# Altium PCB Tag201_GangProgrammerRev2.PcbDoc (part 4 of 7) (continued)
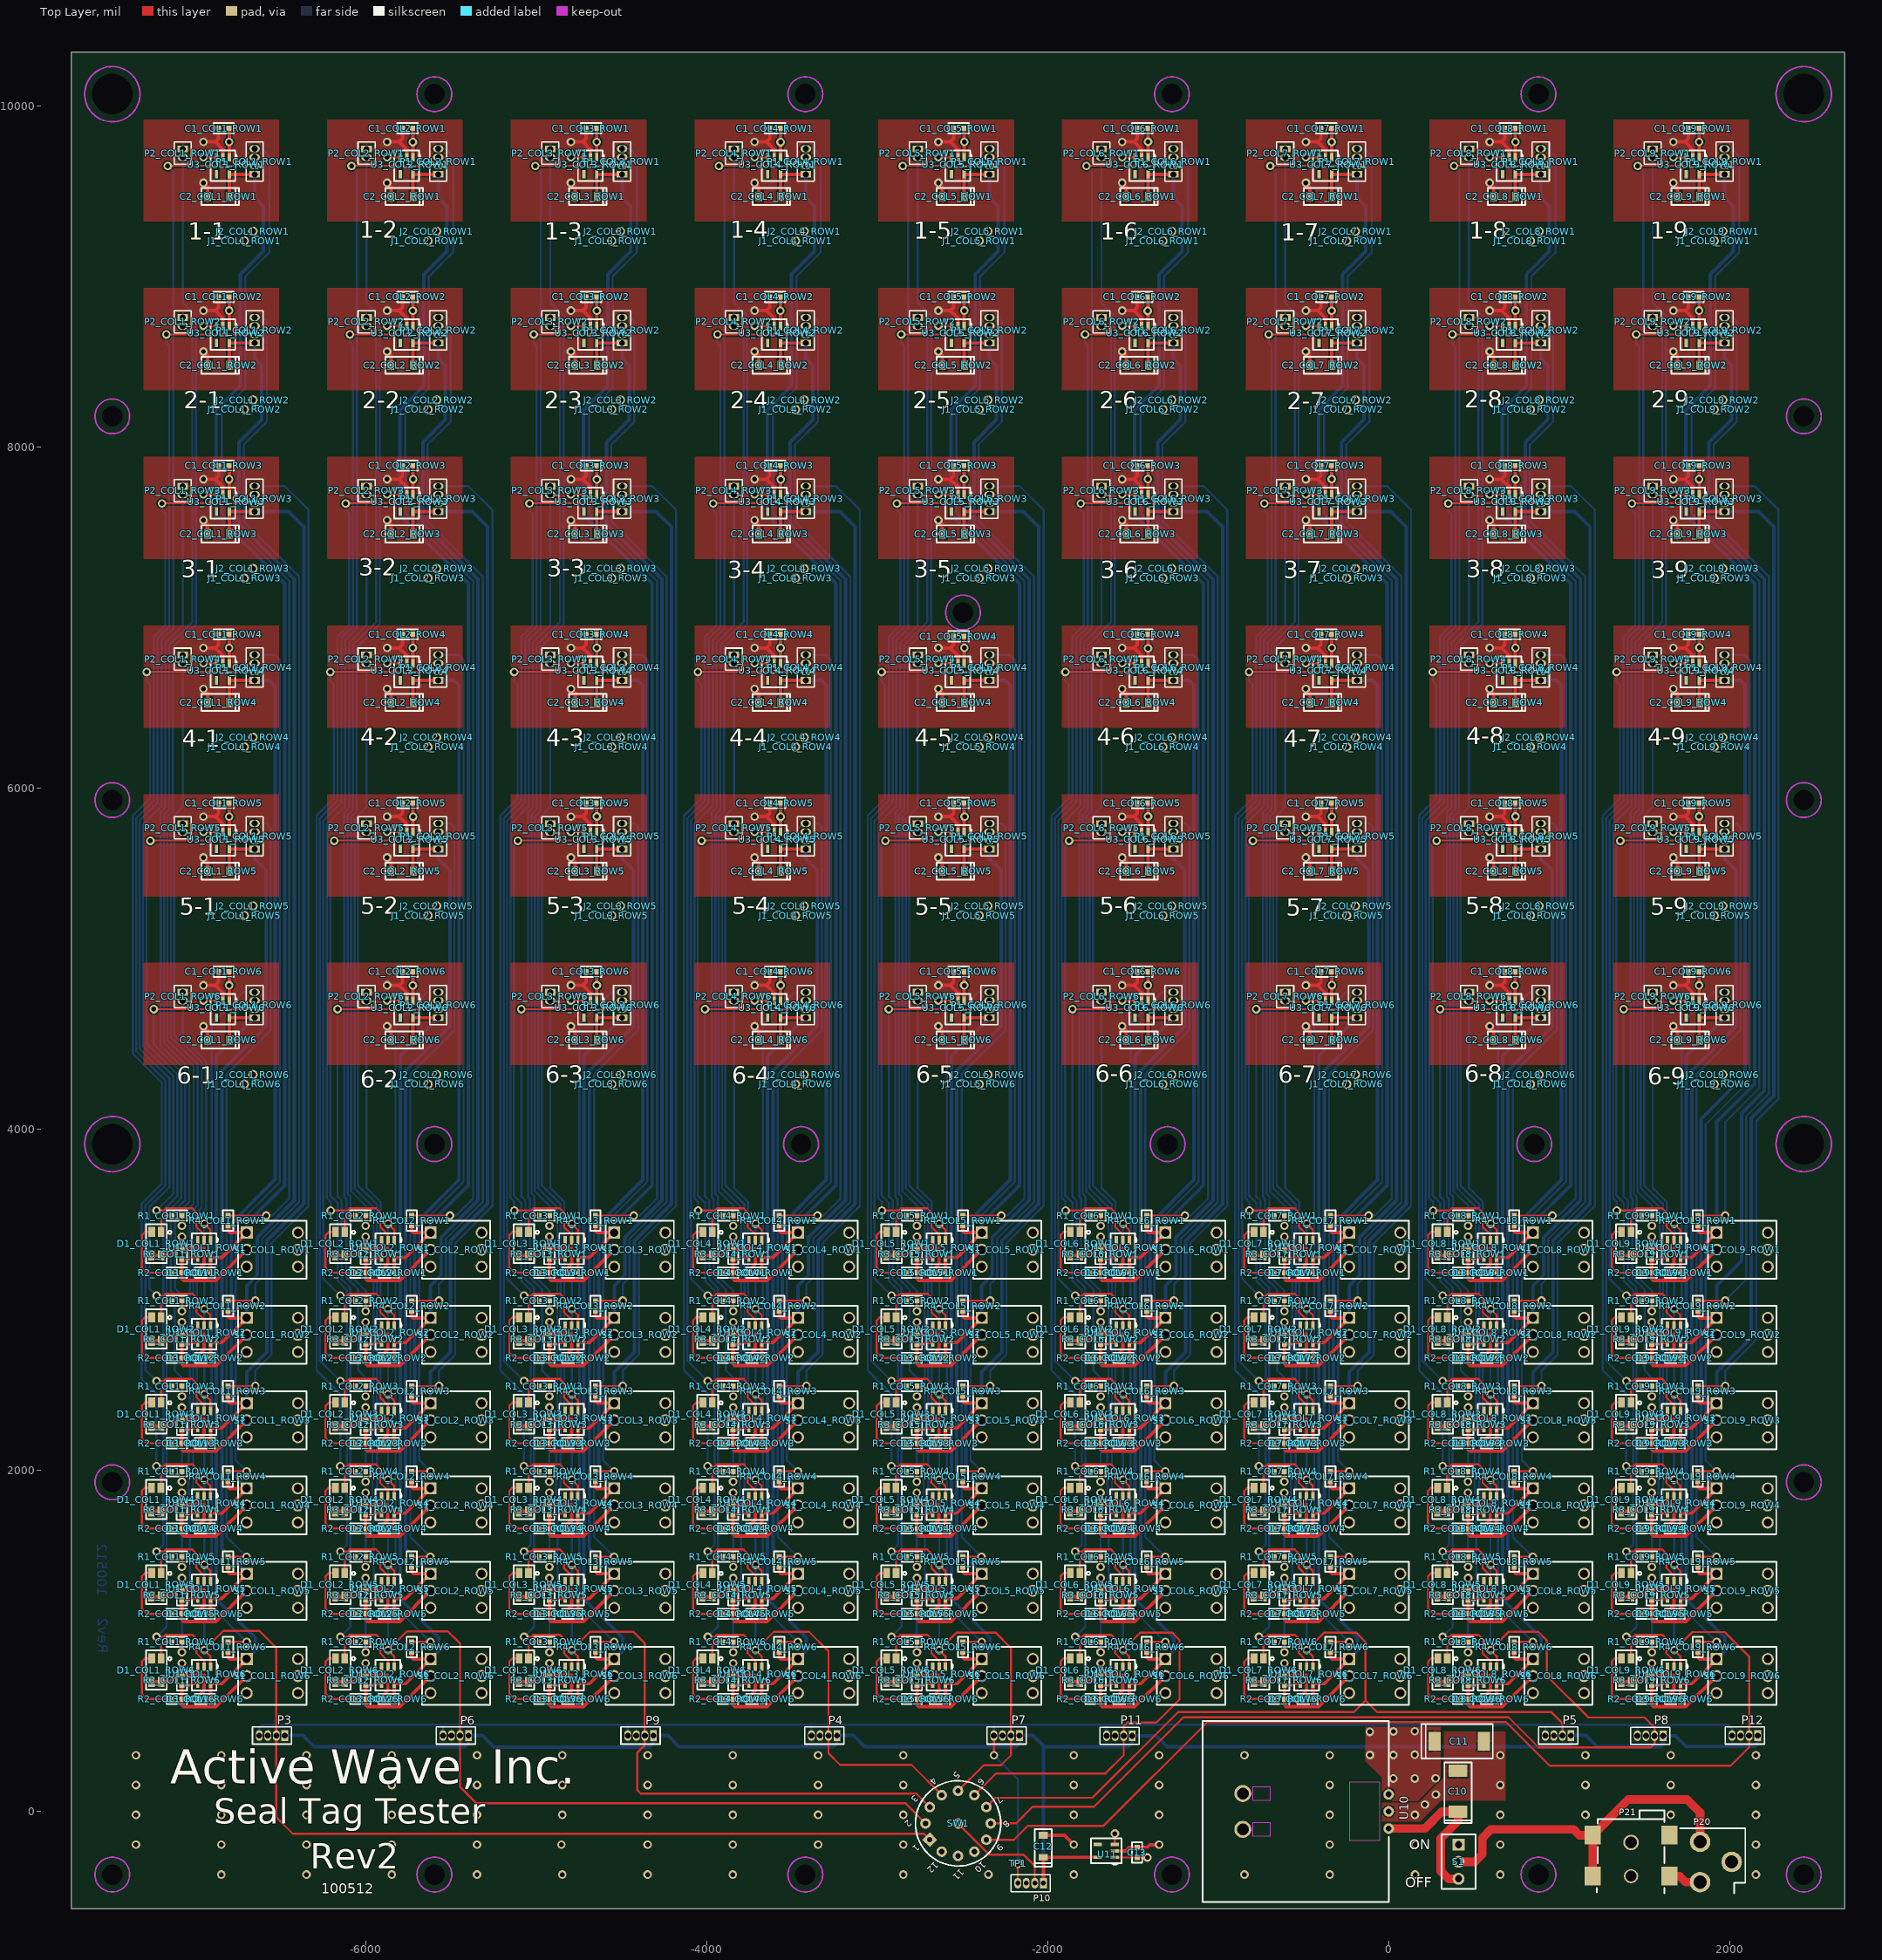
[diagram p0: Top Layer view]
## Nets (pads, with @x,y where several pads share a name; then routed paths per layer and width w, separated by ;. In a path a pad name is that pad's centre, name@x,y a point inside that pad or via, vN(x,y) a via of type N, cw(c..) or ccw(c..) an arc to the next point about the centre after c; other vN are vias at no path point) (continued)
  Top Layer w20: D1_COL1_ROW4.4@-7254.56,1760.1 D1_COL1_ROW4.3@-7199.44,1760.1 -7145.9,1760.1 -7107,1799 R3_COL1_ROW4.1@-7077,1799 ; D1_COL1_ROW6.4@-7254.06,760.1 D1_COL1_ROW6.3@-7198.94,760.1 -7145.4,760.1 -7106.5,799 R3_COL1_ROW6.1@-7076.5,799 ; D1_COL1_ROW5.4@-7254.06,1260.1 D1_COL1_ROW5.3@-7198.94,1260.1 -7145.4,1260.1 -7106.5,1299 R3_COL1_ROW5.1@-7076.5,1299 ; D1_COL1_ROW3.4@-7254.06,2260.1 D1_COL1_ROW3.3@-7198.94,2260.1 -7145.4,2260.1 -7106.5,2299 R3_COL1_ROW3.1@-7076.5,2299 ; D1_COL1_ROW2.4@-7254.06,2760.1 D1_COL1_ROW2.3@-7198.94,2760.1 -7145.4,2760.1 -7106.5,2799 R3_COL1_ROW2.1@-7076.5,2799 ; D1_COL1_ROW1.4@-7254.06,3260.1 D1_COL1_ROW1.3@-7198.94,3260.1 -7145.4,3260.1 -7106.5,3299 R3_COL1_ROW1.1@-7076.5,3299 ; v1(-7077,1869) R3_COL1_ROW4.1@-7077,1799 ; v1(-7076.5,869) R3_COL1_ROW6.1@-7076.5,799 ; v1(-7076.5,1369) R3_COL1_ROW5.1@-7076.5,1299 ; v1(-7076.5,2369) R3_COL1_ROW3.1@-7076.5,2299 ; v1(-7076.5,2869) R3_COL1_ROW2.1@-7076.5,2799 ; v1(-7076.5,3369) R3_COL1_ROW1.1@-7076.5,3299 ; -6984.5,1801.5 U1_COL1_ROW4.3@-6984.5,1849 ; -6984,801.5 U1_COL1_ROW6.3@-6984,849 ; -6984,1301.5 U1_COL1_ROW5.3@-6984,1349 ; -6984,2301.5 U1_COL1_ROW3.3@-6984,2349 ; -6984,2801.5 U1_COL1_ROW2.3@-6984,2849 ; -6984,3301.5 U1_COL1_ROW1.3@-6984,3349 ; C3_COL1_ROW4.2@-6972,1659 -6972,1684 -6947,1709 -6947,1799 R3_COL1_ROW4.1@-7077,1799 ; C3_COL1_ROW6.2@-6971.5,659 -6971.5,684 -6946.5,709 -6946.5,799 R3_COL1_ROW6.1@-7076.5,799 ; C3_COL1_ROW5.2@-6971.5,1159 -6971.5,1184 -6946.5,1209 -6946.5,1299 R3_COL1_ROW5.1@-7076.5,1299 ; C3_COL1_ROW3.2@-6971.5,2159 -6971.5,2184 -6946.5,2209 -6946.5,2299 R3_COL1_ROW3.1@-7076.5,2299 ; C3_COL1_ROW2.2@-6971.5,2659 -6971.5,2684 -6946.5,2709 -6946.5,2799 R3_COL1_ROW2.1@-7076.5,2799 ; C3_COL1_ROW1.2@-6971.5,3159 -6971.5,3184 -6946.5,3209 -6946.5,3299 R3_COL1_ROW1.1@-7076.5,3299 ; v1(-6950.5,4604) -6926.5,4580 C2_COL1_ROW6.2@-6926.5,4524 ; v1(-6950.5,4844) -6880.5,4844 ; v1(-6950.5,5593) -6926.5,5569 C2_COL1_ROW5.2@-6926.5,5513 ; v1(-6950.5,5833) -6880.5,5833 ; v1(-6950.5,6582) -6926.5,6558 C2_COL1_ROW4.2@-6926.5,6502 ; v1(-6950.5,6822) -6880.5,6822 ; v1(-6950.5,7571) -6926.5,7547 C2_COL1_ROW3.2@-6926.5,7491 ; v1(-6950.5,7811) -6880.5,7811 ; v1(-6950.5,8560) -6926.5,8536 C2_COL1_ROW2.2@-6926.5,8480 ; v1(-6950.5,8800) -6880.5,8800 ; v1(-6950.5,9549) -6926.5,9525 C2_COL1_ROW1.2@-6926.5,9469 ; v1(-6950.5,9789) -6880.5,9789 ; C1_COL1_ROW6.2@-6861.5,4924 -6861.5,4863 -6880.5,4844 ; C1_COL1_ROW5.2@-6861.5,5913 -6861.5,5852 -6880.5,5833 ; C1_COL1_ROW4.2@-6861.5,6902 -6861.5,6841 -6880.5,6822 ; C1_COL1_ROW3.2@-6861.5,7891 -6861.5,7830 -6880.5,7811 ; C1_COL1_ROW2.2@-6861.5,8880 -6861.5,8819 -6880.5,8800 ; C1_COL1_ROW1.2@-6861.5,9869 -6861.5,9808 -6880.5,9789 ; U3_COL1_ROW6.2@-6836,4754 -6836,4799.5 -6880.5,4844 ; U3_COL1_ROW5.2@-6836,5743 -6836,5788.5 -6880.5,5833 ; U3_COL1_ROW4.2@-6836,6732 -6836,6777.5 -6880.5,6822 ; U3_COL1_ROW3.2@-6836,7721 -6836,7766.5 -6880.5,7811 ; U3_COL1_ROW2.2@-6836,8710 -6836,8755.5 -6880.5,8800 ; U3_COL1_ROW1.2@-6836,9699 -6836,9744.5 -6880.5,9789 ; D1_COL2_ROW4.4@-6177.06,1760.1 D1_COL2_ROW4.3@-6121.94,1760.1 -6068.4,1760.1 -6029.5,1799 R3_COL2_ROW4.1@-5999.5,1799 ; D1_COL2_ROW6.4@-6176.56,760.1 D1_COL2_ROW6.3@-6121.44,760.1 -6067.9,760.1 -6029,799 R3_COL2_ROW6.1@-5999,799 ; D1_COL2_ROW5.4@-6176.56,1260.1 D1_COL2_ROW5.3@-6121.44,1260.1 -6067.9,1260.1 -6029,1299 R3_COL2_ROW5.1@-5999,1299 ; D1_COL2_ROW3.4@-6176.56,2260.1 D1_COL2_ROW3.3@-6121.44,2260.1 -6067.9,2260.1 -6029,2299 R3_COL2_ROW3.1@-5999,2299 ; D1_COL2_ROW2.4@-6176.56,2760.1 D1_COL2_ROW2.3@-6121.44,2760.1 -6067.9,2760.1 -6029,2799 R3_COL2_ROW2.1@-5999,2799 ; D1_COL2_ROW1.4@-6176.56,3260.1 D1_COL2_ROW1.3@-6121.44,3260.1 -6067.9,3260.1 -6029,3299 R3_COL2_ROW1.1@-5999,3299 ; v1(-5999.5,1869) R3_COL2_ROW4.1@-5999.5,1799 ; v1(-5999,869) R3_COL2_ROW6.1@-5999,799 ; v1(-5999,1369) R3_COL2_ROW5.1@-5999,1299 ; v1(-5999,2369) R3_COL2_ROW3.1@-5999,2299 ; v1(-5999,2869) R3_COL2_ROW2.1@-5999,2799 ; v1(-5999,3369) R3_COL2_ROW1.1@-5999,3299 ; -5907,1801.5 U1_COL2_ROW4.3@-5907,1849 ; -5906.5,801.5 U1_COL2_ROW6.3@-5906.5,849 ; -5906.5,1301.5 U1_COL2_ROW5.3@-5906.5,1349 ; -5906.5,2301.5 U1_COL2_ROW3.3@-5906.5,2349 ; -5906.5,2801.5 U1_COL2_ROW2.3@-5906.5,2849 ; -5906.5,3301.5 U1_COL2_ROW1.3@-5906.5,3349 ; C3_COL2_ROW4.2@-5894.5,1659 -5894.5,1684 -5869.5,1709 -5869.5,1799 R3_COL2_ROW4.1@-5999.5,1799 ; C3_COL2_ROW6.2@-5894,659 -5894,684 -5869,709 -5869,799 R3_COL2_ROW6.1@-5999,799 ; C3_COL2_ROW5.2@-5894,1159 -5894,1184 -5869,1209 -5869,1299 R3_COL2_ROW5.1@-5999,1299 ; C3_COL2_ROW3.2@-5894,2159 -5894,2184 -5869,2209 -5869,2299 R3_COL2_ROW3.1@-5999,2299 ; C3_COL2_ROW2.2@-5894,2659 -5894,2684 -5869,2709 -5869,2799 R3_COL2_ROW2.1@-5999,2799 ; C3_COL2_ROW1.2@-5894,3159 -5894,3184 -5869,3209 -5869,3299 R3_COL2_ROW1.1@-5999,3299 ; v1(-5873,4604) -5849,4580 C2_COL2_ROW6.2@-5849,4524 ; v1(-5873,4844) -5803,4844 ; v1(-5873,5593) -5849,5569 C2_COL2_ROW5.2@-5849,5513 ; v1(-5873,5833) -5803,5833 ; v1(-5873,6582) -5849,6558 C2_COL2_ROW4.2@-5849,6502 ; v1(-5873,6822) -5803,6822 ; v1(-5873,7571) -5849,7547 C2_COL2_ROW3.2@-5849,7491 ; v1(-5873,7811) -5803,7811 ; v1(-5873,8560) -5849,8536 C2_COL2_ROW2.2@-5849,8480 ; v1(-5873,8800) -5803,8800 ; v1(-5873,9549) -5849,9525 C2_COL2_ROW1.2@-5849,9469 ; v1(-5873,9789) -5803,9789 ; C1_COL2_ROW6.2@-5784,4924 -5784,4863 -5803,4844 ; C1_COL2_ROW5.2@-5784,5913 -5784,5852 -5803,5833 ; C1_COL2_ROW4.2@-5784,6902 -5784,6841 -5803,6822 ; C1_COL2_ROW3.2@-5784,7891 -5784,7830 -5803,7811 ; C1_COL2_ROW2.2@-5784,8880 -5784,8819 -5803,8800 ; C1_COL2_ROW1.2@-5784,9869 -5784,9808 -5803,9789 ; U3_COL2_ROW6.2@-5758.5,4754 -5758.5,4799.5 -5803,4844 ; U3_COL2_ROW5.2@-5758.5,5743 -5758.5,5788.5 -5803,5833 ; U3_COL2_ROW4.2@-5758.5,6732 -5758.5,6777.5 -5803,6822 ; U3_COL2_ROW3.2@-5758.5,7721 -5758.5,7766.5 -5803,7811 ; U3_COL2_ROW2.2@-5758.5,8710 -5758.5,8755.5 -5803,8800 ; U3_COL2_ROW1.2@-5758.5,9699 -5758.5,9744.5 -5803,9789 ; D1_COL3_ROW4.4@-5099.56,1760.1 D1_COL3_ROW4.3@-5044.44,1760.1 -4990.9,1760.1 -4952,1799 R3_COL3_ROW4.1@-4922,1799 ; D1_COL3_ROW6.4@-5099.06,760.1 D1_COL3_ROW6.3@-5043.94,760.1 -4990.4,760.1 -4951.5,799 R3_COL3_ROW6.1@-4921.5,799 ; D1_COL3_ROW5.4@-5099.06,1260.1 D1_COL3_ROW5.3@-5043.94,1260.1 -4990.4,1260.1 -4951.5,1299 R3_COL3_ROW5.1@-4921.5,1299 ; D1_COL3_ROW3.4@-5099.06,2260.1 D1_COL3_ROW3.3@-5043.94,2260.1 -4990.4,2260.1 -4951.5,2299 R3_COL3_ROW3.1@-4921.5,2299 ; D1_COL3_ROW2.4@-5099.06,2760.1 D1_COL3_ROW2.3@-5043.94,2760.1 -4990.4,2760.1 -4951.5,2799 R3_COL3_ROW2.1@-4921.5,2799 ; D1_COL3_ROW1.4@-5099.06,3260.1 D1_COL3_ROW1.3@-5043.94,3260.1 -4990.4,3260.1 -4951.5,3299 R3_COL3_ROW1.1@-4921.5,3299 ; v1(-4922,1869) R3_COL3_ROW4.1@-4922,1799 ; v1(-4921.5,869) R3_COL3_ROW6.1@-4921.5,799 ; v1(-4921.5,1369) R3_COL3_ROW5.1@-4921.5,1299 ; v1(-4921.5,2369) R3_COL3_ROW3.1@-4921.5,2299 ; v1(-4921.5,2869) R3_COL3_ROW2.1@-4921.5,2799 ; v1(-4921.5,3369) R3_COL3_ROW1.1@-4921.5,3299 ; -4829.5,1801.5 U1_COL3_ROW4.3@-4829.5,1849 ; -4829,801.5 U1_COL3_ROW6.3@-4829,849 ; -4829,1301.5 U1_COL3_ROW5.3@-4829,1349 ; -4829,2301.5 U1_COL3_ROW3.3@-4829,2349 ; -4829,2801.5 U1_COL3_ROW2.3@-4829,2849 ; -4829,3301.5 U1_COL3_ROW1.3@-4829,3349 ; C3_COL3_ROW4.2@-4817,1659 -4817,1684 -4792,1709 -4792,1799 R3_COL3_ROW4.1@-4922,1799 ; C3_COL3_ROW6.2@-4816.5,659 -4816.5,684 -4791.5,709 -4791.5,799 R3_COL3_ROW6.1@-4921.5,799 ; C3_COL3_ROW5.2@-4816.5,1159 -4816.5,1184 -4791.5,1209 -4791.5,1299 R3_COL3_ROW5.1@-4921.5,1299 ; C3_COL3_ROW3.2@-4816.5,2159 -4816.5,2184 -4791.5,2209 -4791.5,2299 R3_COL3_ROW3.1@-4921.5,2299 ; C3_COL3_ROW2.2@-4816.5,2659 -4816.5,2684 -4791.5,2709 -4791.5,2799 R3_COL3_ROW2.1@-4921.5,2799 ; C3_COL3_ROW1.2@-4816.5,3159 -4816.5,3184 -4791.5,3209 -4791.5,3299 R3_COL3_ROW1.1@-4921.5,3299 ; v1(-4795.5,4604) -4771.5,4580 C2_COL3_ROW6.2@-4771.5,4524 ; v1(-4795.5,4844) -4725.5,4844 ; v1(-4795.5,5593) -4771.5,5569 C2_COL3_ROW5.2@-4771.5,5513 ; v1(-4795.5,5833) -4725.5,5833 ; v1(-4795.5,6582) -4771.5,6558 C2_COL3_ROW4.2@-4771.5,6502 ; v1(-4795.5,6822) -4725.5,6822 ; v1(-4795.5,7571) -4771.5,7547 C2_COL3_ROW3.2@-4771.5,7491 ; v1(-4795.5,7811) -4725.5,7811 ; v1(-4795.5,8560) -4771.5,8536 C2_COL3_ROW2.2@-4771.5,8480 ; v1(-4795.5,8800) -4725.5,8800 ; v1(-4795.5,9549) -4771.5,9525 C2_COL3_ROW1.2@-4771.5,9469 ; v1(-4795.5,9789) -4725.5,9789 ; C1_COL3_ROW6.2@-4706.5,4924 -4706.5,4863 -4725.5,4844 ; C1_COL3_ROW5.2@-4706.5,5913 -4706.5,5852 -4725.5,5833 ; C1_COL3_ROW4.2@-4706.5,6902 -4706.5,6841 -4725.5,6822 ; C1_COL3_ROW3.2@-4706.5,7891 -4706.5,7830 -4725.5,7811 ; C1_COL3_ROW2.2@-4706.5,8880 -4706.5,8819 -4725.5,8800 ; C1_COL3_ROW1.2@-4706.5,9869 -4706.5,9808 -4725.5,9789 ; U3_COL3_ROW6.2@-4681,4754 -4681,4799.5 -4725.5,4844 ; U3_COL3_ROW5.2@-4681,5743 -4681,5788.5 -4725.5,5833 ; U3_COL3_ROW4.2@-4681,6732 -4681,6777.5 -4725.5,6822 ; U3_COL3_ROW3.2@-4681,7721 -4681,7766.5 -4725.5,7811 ; U3_COL3_ROW2.2@-4681,8710 -4681,8755.5 -4725.5,8800 ; U3_COL3_ROW1.2@-4681,9699 -4681,9744.5 -4725.5,9789 ; D1_COL4_ROW4.4@-4022.06,1760.1 D1_COL4_ROW4.3@-3966.94,1760.1 -3913.4,1760.1 -3874.5,1799 R3_COL4_ROW4.1@-3844.5,1799 ; D1_COL4_ROW6.4@-4021.56,760.1 D1_COL4_ROW6.3@-3966.44,760.1 -3912.9,760.1 -3874,799 R3_COL4_ROW6.1@-3844,799 ; D1_COL4_ROW5.4@-4021.56,1260.1 D1_COL4_ROW5.3@-3966.44,1260.1 -3912.9,1260.1 -3874,1299 R3_COL4_ROW5.1@-3844,1299 ; D1_COL4_ROW3.4@-4021.56,2260.1 D1_COL4_ROW3.3@-3966.44,2260.1 -3912.9,2260.1 -3874,2299 R3_COL4_ROW3.1@-3844,2299 ; D1_COL4_ROW2.4@-4021.56,2760.1 D1_COL4_ROW2.3@-3966.44,2760.1 -3912.9,2760.1 -3874,2799 R3_COL4_ROW2.1@-3844,2799 ; D1_COL4_ROW1.4@-4021.56,3260.1 D1_COL4_ROW1.3@-3966.44,3260.1 -3912.9,3260.1 -3874,3299 R3_COL4_ROW1.1@-3844,3299 ; v1(-3844.5,1869) R3_COL4_ROW4.1@-3844.5,1799 ; v1(-3844,869) R3_COL4_ROW6.1@-3844,799 ; v1(-3844,1369) R3_COL4_ROW5.1@-3844,1299 ; v1(-3844,2369) R3_COL4_ROW3.1@-3844,2299 ; v1(-3844,2869) R3_COL4_ROW2.1@-3844,2799 ; v1(-3844,3369) R3_COL4_ROW1.1@-3844,3299 ; -3752,1801.5 U1_COL4_ROW4.3@-3752,1849 ; -3751.5,801.5 U1_COL4_ROW6.3@-3751.5,849 ; -3751.5,1301.5 U1_COL4_ROW5.3@-3751.5,1349 ; -3751.5,2301.5 U1_COL4_ROW3.3@-3751.5,2349 ; -3751.5,2801.5 U1_COL4_ROW2.3@-3751.5,2849 ; -3751.5,3301.5 U1_COL4_ROW1.3@-3751.5,3349 ; C3_COL4_ROW4.2@-3739.5,1659 -3739.5,1684 -3714.5,1709 -3714.5,1799 R3_COL4_ROW4.1@-3844.5,1799 ; C3_COL4_ROW6.2@-3739,659 -3739,684 -3714,709 -3714,799 R3_COL4_ROW6.1@-3844,799 ; C3_COL4_ROW5.2@-3739,1159 -3739,1184 -3714,1209 -3714,1299 R3_COL4_ROW5.1@-3844,1299 ; C3_COL4_ROW3.2@-3739,2159 -3739,2184 -3714,2209 -3714,2299 R3_COL4_ROW3.1@-3844,2299 ; C3_COL4_ROW2.2@-3739,2659 -3739,2684 -3714,2709 -3714,2799 R3_COL4_ROW2.1@-3844,2799 ; C3_COL4_ROW1.2@-3739,3159 -3739,3184 -3714,3209 -3714,3299 R3_COL4_ROW1.1@-3844,3299 ; v1(-3718,4604) -3694,4580 C2_COL4_ROW6.2@-3694,4524 ; v1(-3718,4844) -3648,4844 ; v1(-3718,5593) -3694,5569 C2_COL4_ROW5.2@-3694,5513 ; v1(-3718,5833) -3648,5833 ; v1(-3718,6582) -3694,6558 C2_COL4_ROW4.2@-3694,6502 ; v1(-3718,6822) -3648,6822 ; v1(-3718,7571) -3694,7547 C2_COL4_ROW3.2@-3694,7491 ; v1(-3718,7811) -3648,7811 ; v1(-3718,8560) -3694,8536 C2_COL4_ROW2.2@-3694,8480 ; v1(-3718,8800) -3648,8800 ; v1(-3718,9549) -3694,9525 C2_COL4_ROW1.2@-3694,9469 ; v1(-3718,9789) -3648,9789 ; C1_COL4_ROW6.2@-3629,4924 -3629,4863 -3648,4844 ; C1_COL4_ROW5.2@-3629,5913 -3629,5852 -3648,5833 ; C1_COL4_ROW4.2@-3629,6902 -3629,6841 -3648,6822 ; C1_COL4_ROW3.2@-3629,7891 -3629,7830 -3648,7811 ; C1_COL4_ROW2.2@-3629,8880 -3629,8819 -3648,8800 ; C1_COL4_ROW1.2@-3629,9869 -3629,9808 -3648,9789 ; U3_COL4_ROW6.2@-3603.5,4754 -3603.5,4799.5 -3648,4844 ; U3_COL4_ROW5.2@-3603.5,5743 -3603.5,5788.5 -3648,5833 ; U3_COL4_ROW4.2@-3603.5,6732 -3603.5,6777.5 -3648,6822 ; U3_COL4_ROW3.2@-3603.5,7721 -3603.5,7766.5 -3648,7811 ; U3_COL4_ROW2.2@-3603.5,8710 -3603.5,8755.5 -3648,8800 ; U3_COL4_ROW1.2@-3603.5,9699 -3603.5,9744.5 -3648,9789 ; D1_COL5_ROW4.4@-2944.56,1760.1 D1_COL5_ROW4.3@-2889.44,1760.1 -2835.9,1760.1 -2797,1799 R3_COL5_ROW4.1@-2767,1799 ; D1_COL5_ROW6.4@-2944.06,760.1 D1_COL5_ROW6.3@-2888.94,760.1 -2835.4,760.1 -2796.5,799 R3_COL5_ROW6.1@-2766.5,799 ; D1_COL5_ROW5.4@-2944.06,1260.1 D1_COL5_ROW5.3@-2888.94,1260.1 -2835.4,1260.1 -2796.5,1299 R3_COL5_ROW5.1@-2766.5,1299 ; D1_COL5_ROW3.4@-2944.06,2260.1 D1_COL5_ROW3.3@-2888.94,2260.1 -2835.4,2260.1 -2796.5,2299 R3_COL5_ROW3.1@-2766.5,2299 ; D1_COL5_ROW2.4@-2944.06,2760.1 D1_COL5_ROW2.3@-2888.94,2760.1 -2835.4,2760.1 -2796.5,2799 R3_COL5_ROW2.1@-2766.5,2799 ; D1_COL5_ROW1.4@-2944.06,3260.1 D1_COL5_ROW1.3@-2888.94,3260.1 -2835.4,3260.1 -2796.5,3299 R3_COL5_ROW1.1@-2766.5,3299 ; v1(-2767,1869) R3_COL5_ROW4.1@-2767,1799 ; v1(-2766.5,869) R3_COL5_ROW6.1@-2766.5,799 ; v1(-2766.5,1369) R3_COL5_ROW5.1@-2766.5,1299 ; v1(-2766.5,2369) R3_COL5_ROW3.1@-2766.5,2299 ; v1(-2766.5,2869) R3_COL5_ROW2.1@-2766.5,2799 ; v1(-2766.5,3369) R3_COL5_ROW1.1@-2766.5,3299 ; -2674.5,1801.5 U1_COL5_ROW4.3@-2674.5,1849 ; -2674,801.5 U1_COL5_ROW6.3@-2674,849 ; -2674,1301.5 U1_COL5_ROW5.3@-2674,1349 ; -2674,2301.5 U1_COL5_ROW3.3@-2674,2349 ; -2674,2801.5 U1_COL5_ROW2.3@-2674,2849 ; -2674,3301.5 U1_COL5_ROW1.3@-2674,3349 ; C3_COL5_ROW4.2@-2662,1659 -2662,1684 -2637,1709 -2637,1799 R3_COL5_ROW4.1@-2767,1799 ; C3_COL5_ROW6.2@-2661.5,659 -2661.5,684 -2636.5,709 -2636.5,799 R3_COL5_ROW6.1@-2766.5,799 ; C3_COL5_ROW5.2@-2661.5,1159 -2661.5,1184 -2636.5,1209 -2636.5,1299 R3_COL5_ROW5.1@-2766.5,1299 ; C3_COL5_ROW3.2@-2661.5,2159 -2661.5,2184 -2636.5,2209 -2636.5,2299 R3_COL5_ROW3.1@-2766.5,2299 ; C3_COL5_ROW2.2@-2661.5,2659 -2661.5,2684 -2636.5,2709 -2636.5,2799 R3_COL5_ROW2.1@-2766.5,2799 ; C3_COL5_ROW1.2@-2661.5,3159 -2661.5,3184 -2636.5,3209 -2636.5,3299 R3_COL5_ROW1.1@-2766.5,3299 ; v1(-2640.5,4604) -2616.5,4580 C2_COL5_ROW6.2@-2616.5,4524 ; v1(-2640.5,4844) -2570.5,4844 ; v1(-2640.5,5593) -2616.5,5569 C2_COL5_ROW5.2@-2616.5,5513 ; v1(-2640.5,5833) -2570.5,5833 ; v1(-2640.5,6582) -2616.5,6558 C2_COL5_ROW4.2@-2616.5,6502 ; v1(-2640.5,6822) -2570.5,6822 ; v1(-2640.5,7571) -2616.5,7547 C2_COL5_ROW3.2@-2616.5,7491 ; v1(-2640.5,7811) -2570.5,7811 ; v1(-2640.5,8560) -2616.5,8536 C2_COL5_ROW2.2@-2616.5,8480 ; v1(-2640.5,8800) -2570.5,8800 ; v1(-2640.5,9549) -2616.5,9525 C2_COL5_ROW1.2@-2616.5,9469 ; v1(-2640.5,9789) -2570.5,9789 ; C1_COL5_ROW6.2@-2551.5,4924 -2551.5,4863 -2570.5,4844 ; C1_COL5_ROW5.2@-2551.5,5913 -2551.5,5852 -2570.5,5833 ; C1_COL5_ROW4.2@-2551.5,6889 -2551.5,6841 -2570.5,6822 ; C1_COL5_ROW3.2@-2551.5,7891 -2551.5,7830 -2570.5,7811 ; C1_COL5_ROW2.2@-2551.5,8880 -2551.5,8819 -2570.5,8800 ; C1_COL5_ROW1.2@-2551.5,9869 -2551.5,9808 -2570.5,9789 ; U3_COL5_ROW6.2@-2526,4754 -2526,4799.5 -2570.5,4844 ; U3_COL5_ROW5.2@-2526,5743 -2526,5788.5 -2570.5,5833 ; U3_COL5_ROW4.2@-2526,6732 -2526,6777.5 -2570.5,6822 ; U3_COL5_ROW3.2@-2526,7721 -2526,7766.5 -2570.5,7811 ; U3_COL5_ROW2.2@-2526,8710 -2526,8755.5 -2570.5,8800 ; U3_COL5_ROW1.2@-2526,9699 -2526,9744.5 -2570.5,9789 ; C12.2@-2025,-139 -1902,-139 v1(-1846,-195) ; D1_COL6_ROW4.4@-1867.06,1760.1 D1_COL6_ROW4.3@-1811.94,1760.1 -1758.4,1760.1 -1719.5,1799 R3_COL6_ROW4.1@-1689.5,1799 ; D1_COL6_ROW6.4@-1866.56,760.1 D1_COL6_ROW6.3@-1811.44,760.1 -1757.9,760.1 -1719,799 R3_COL6_ROW6.1@-1689,799 ; D1_COL6_ROW5.4@-1866.56,1260.1 D1_COL6_ROW5.3@-1811.44,1260.1 -1757.9,1260.1 -1719,1299 R3_COL6_ROW5.1@-1689,1299 ; D1_COL6_ROW3.4@-1866.56,2260.1 D1_COL6_ROW3.3@-1811.44,2260.1 -1757.9,2260.1 -1719,2299 R3_COL6_ROW3.1@-1689,2299 ; D1_COL6_ROW2.4@-1866.56,2760.1 D1_COL6_ROW2.3@-1811.44,2760.1 -1757.9,2760.1 -1719,2799 R3_COL6_ROW2.1@-1689,2799 ; D1_COL6_ROW1.4@-1866.56,3260.1 D1_COL6_ROW1.3@-1811.44,3260.1 -1757.9,3260.1 -1719,3299 R3_COL6_ROW1.1@-1689,3299 ; v1(-1689.5,1869) R3_COL6_ROW4.1@-1689.5,1799 ; v1(-1689,869) R3_COL6_ROW6.1@-1689,799 ; v1(-1689,1369) R3_COL6_ROW5.1@-1689,1299 ; v1(-1689,2369) R3_COL6_ROW3.1@-1689,2299 ; v1(-1689,2869) R3_COL6_ROW2.1@-1689,2799 ; v1(-1689,3369) R3_COL6_ROW1.1@-1689,3299 ; U11.2@-1606,-231.5 -1541.5,-231.5 -1520,-210 C13.2@-1475,-210 -1415,-210 -1400,-195 v1(-1346,-195) ; -1597,1801.5 U1_COL6_ROW4.3@-1597,1849 ; -1596.5,801.5 U1_COL6_ROW6.3@-1596.5,849 ; -1596.5,1301.5 U1_COL6_ROW5.3@-1596.5,1349 ; -1596.5,2301.5 U1_COL6_ROW3.3@-1596.5,2349 ; -1596.5,2801.5 U1_COL6_ROW2.3@-1596.5,2849 ; -1596.5,3301.5 U1_COL6_ROW1.3@-1596.5,3349 ; C3_COL6_ROW4.2@-1584.5,1659 -1584.5,1684 -1559.5,1709 -1559.5,1799 R3_COL6_ROW4.1@-1689.5,1799 ; C3_COL6_ROW6.2@-1584,659 -1584,684 -1559,709 -1559,799 R3_COL6_ROW6.1@-1689,799 ; C3_COL6_ROW5.2@-1584,1159 -1584,1184 -1559,1209 -1559,1299 R3_COL6_ROW5.1@-1689,1299 ; C3_COL6_ROW3.2@-1584,2159 -1584,2184 -1559,2209 -1559,2299 R3_COL6_ROW3.1@-1689,2299 ; C3_COL6_ROW2.2@-1584,2659 -1584,2684 -1559,2709 -1559,2799 R3_COL6_ROW2.1@-1689,2799 ; C3_COL6_ROW1.2@-1584,3159 -1584,3184 -1559,3209 -1559,3299 R3_COL6_ROW1.1@-1689,3299 ; v1(-1563,4604) -1539,4580 C2_COL6_ROW6.2@-1539,4524 ; v1(-1563,4844) -1493,4844 ; v1(-1563,5593) -1539,5569 C2_COL6_ROW5.2@-1539,5513 ; v1(-1563,5833) -1493,5833 ; v1(-1563,6582) -1539,6558 C2_COL6_ROW4.2@-1539,6502 ; v1(-1563,6822) -1493,6822 ; v1(-1563,7571) -1539,7547 C2_COL6_ROW3.2@-1539,7491 ; v1(-1563,7811) -1493,7811 ; v1(-1563,8560) -1539,8536 C2_COL6_ROW2.2@-1539,8480 ; v1(-1563,8800) -1493,8800 ; v1(-1563,9549) -1539,9525 C2_COL6_ROW1.2@-1539,9469 ; v1(-1563,9789) -1493,9789 ; C1_COL6_ROW6.2@-1474,4924 -1474,4863 -1493,4844 ; C1_COL6_ROW5.2@-1474,5913 -1474,5852 -1493,5833 ; C1_COL6_ROW4.2@-1474,6902 -1474,6841 -1493,6822 ; C1_COL6_ROW3.2@-1474,7891 -1474,7830 -1493,7811 ; C1_COL6_ROW2.2@-1474,8880 -1474,8819 -1493,8800 ; C1_COL6_ROW1.2@-1474,9869 -1474,9808 -1493,9789 ; U3_COL6_ROW6.2@-1448.5,4754 -1448.5,4799.5 -1493,4844 ; U3_COL6_ROW5.2@-1448.5,5743 -1448.5,5788.5 -1493,5833 ; U3_COL6_ROW4.2@-1448.5,6732 -1448.5,6777.5 -1493,6822 ; U3_COL6_ROW3.2@-1448.5,7721 -1448.5,7766.5 -1493,7811 ; U3_COL6_ROW2.2@-1448.5,8710 -1448.5,8755.5 -1493,8800 ; U3_COL6_ROW1.2@-1448.5,9699 -1448.5,9744.5 -1493,9789 ; D1_COL7_ROW4.4@-789.56,1760.1 D1_COL7_ROW4.3@-734.44,1760.1 -680.9,1760.1 -642,1799 R3_COL7_ROW4.1@-612,1799 ; D1_COL7_ROW6.4@-789.06,760.1 D1_COL7_ROW6.3@-733.94,760.1 -680.4,760.1 -641.5,799 R3_COL7_ROW6.1@-611.5,799 ; D1_COL7_ROW5.4@-789.06,1260.1 D1_COL7_ROW5.3@-733.94,1260.1 -680.4,1260.1 -641.5,1299 R3_COL7_ROW5.1@-611.5,1299 ; D1_COL7_ROW3.4@-789.06,2260.1 D1_COL7_ROW3.3@-733.94,2260.1 -680.4,2260.1 -641.5,2299 R3_COL7_ROW3.1@-611.5,2299 ; D1_COL7_ROW2.4@-789.06,2760.1 D1_COL7_ROW2.3@-733.94,2760.1 -680.4,2760.1 -641.5,2799 R3_COL7_ROW2.1@-611.5,2799 ; D1_COL7_ROW1.4@-789.06,3260.1 D1_COL7_ROW1.3@-733.94,3260.1 -680.4,3260.1 -641.5,3299 R3_COL7_ROW1.1@-611.5,3299 ; v1(-612,1869) R3_COL7_ROW4.1@-612,1799 ; v1(-611.5,869) R3_COL7_ROW6.1@-611.5,799 ; v1(-611.5,1369) R3_COL7_ROW5.1@-611.5,1299 ; v1(-611.5,2369) R3_COL7_ROW3.1@-611.5,2299 ; v1(-611.5,2869) R3_COL7_ROW2.1@-611.5,2799 ; v1(-611.5,3369) R3_COL7_ROW1.1@-611.5,3299 ; -519.5,1801.5 U1_COL7_ROW4.3@-519.5,1849 ; -519,801.5 U1_COL7_ROW6.3@-519,849 ; -519,1301.5 U1_COL7_ROW5.3@-519,1349 ; -519,2301.5 U1_COL7_ROW3.3@-519,2349 ; -519,2801.5 U1_COL7_ROW2.3@-519,2849 ; -519,3301.5 U1_COL7_ROW1.3@-519,3349 ; C3_COL7_ROW4.2@-507,1659 -507,1684 -482,1709 -482,1799 R3_COL7_ROW4.1@-612,1799 ; C3_COL7_ROW6.2@-506.5,659 -506.5,684 -481.5,709 -481.5,799 R3_COL7_ROW6.1@-611.5,799 ; C3_COL7_ROW5.2@-506.5,1159 -506.5,1184 -481.5,1209 -481.5,1299 R3_COL7_ROW5.1@-611.5,1299 ; C3_COL7_ROW3.2@-506.5,2159 -506.5,2184 -481.5,2209 -481.5,2299 R3_COL7_ROW3.1@-611.5,2299 ; C3_COL7_ROW2.2@-506.5,2659 -506.5,2684 -481.5,2709 -481.5,2799 R3_COL7_ROW2.1@-611.5,2799 ; C3_COL7_ROW1.2@-506.5,3159 -506.5,3184 -481.5,3209 -481.5,3299 R3_COL7_ROW1.1@-611.5,3299 ; v1(-485.5,4604) -461.5,4580 C2_COL7_ROW6.2@-461.5,4524 ; v1(-485.5,4844) -415.5,4844 ; v1(-485.5,5593) -461.5,5569 C2_COL7_ROW5.2@-461.5,5513 ; v1(-485.5,5833) -415.5,5833 ; v1(-485.5,6582) -461.5,6558 C2_COL7_ROW4.2@-461.5,6502 ; v1(-485.5,6822) -415.5,6822 ; v1(-485.5,7571) -461.5,7547 C2_COL7_ROW3.2@-461.5,7491 ; v1(-485.5,7811) -415.5,7811 ; v1(-485.5,8560) -461.5,8536 C2_COL7_ROW2.2@-461.5,8480 ; v1(-485.5,8800) -415.5,8800 ; v1(-485.5,9549) -461.5,9525 